# Altium PCB PCB_CARTE_SON.PcbDoc (part 1 of 5)
Units mil, origin at the board's own origin, x right, y up, seen from the top; angles counter-clockwise.
Board outline 6000 x 4000 mil, 2 copper layers (Top Layer, Bottom Layer); 1714 components, 935 nets, 4585 pads, 9 vias.
Unrouted connection lines stored in the file: 2325.
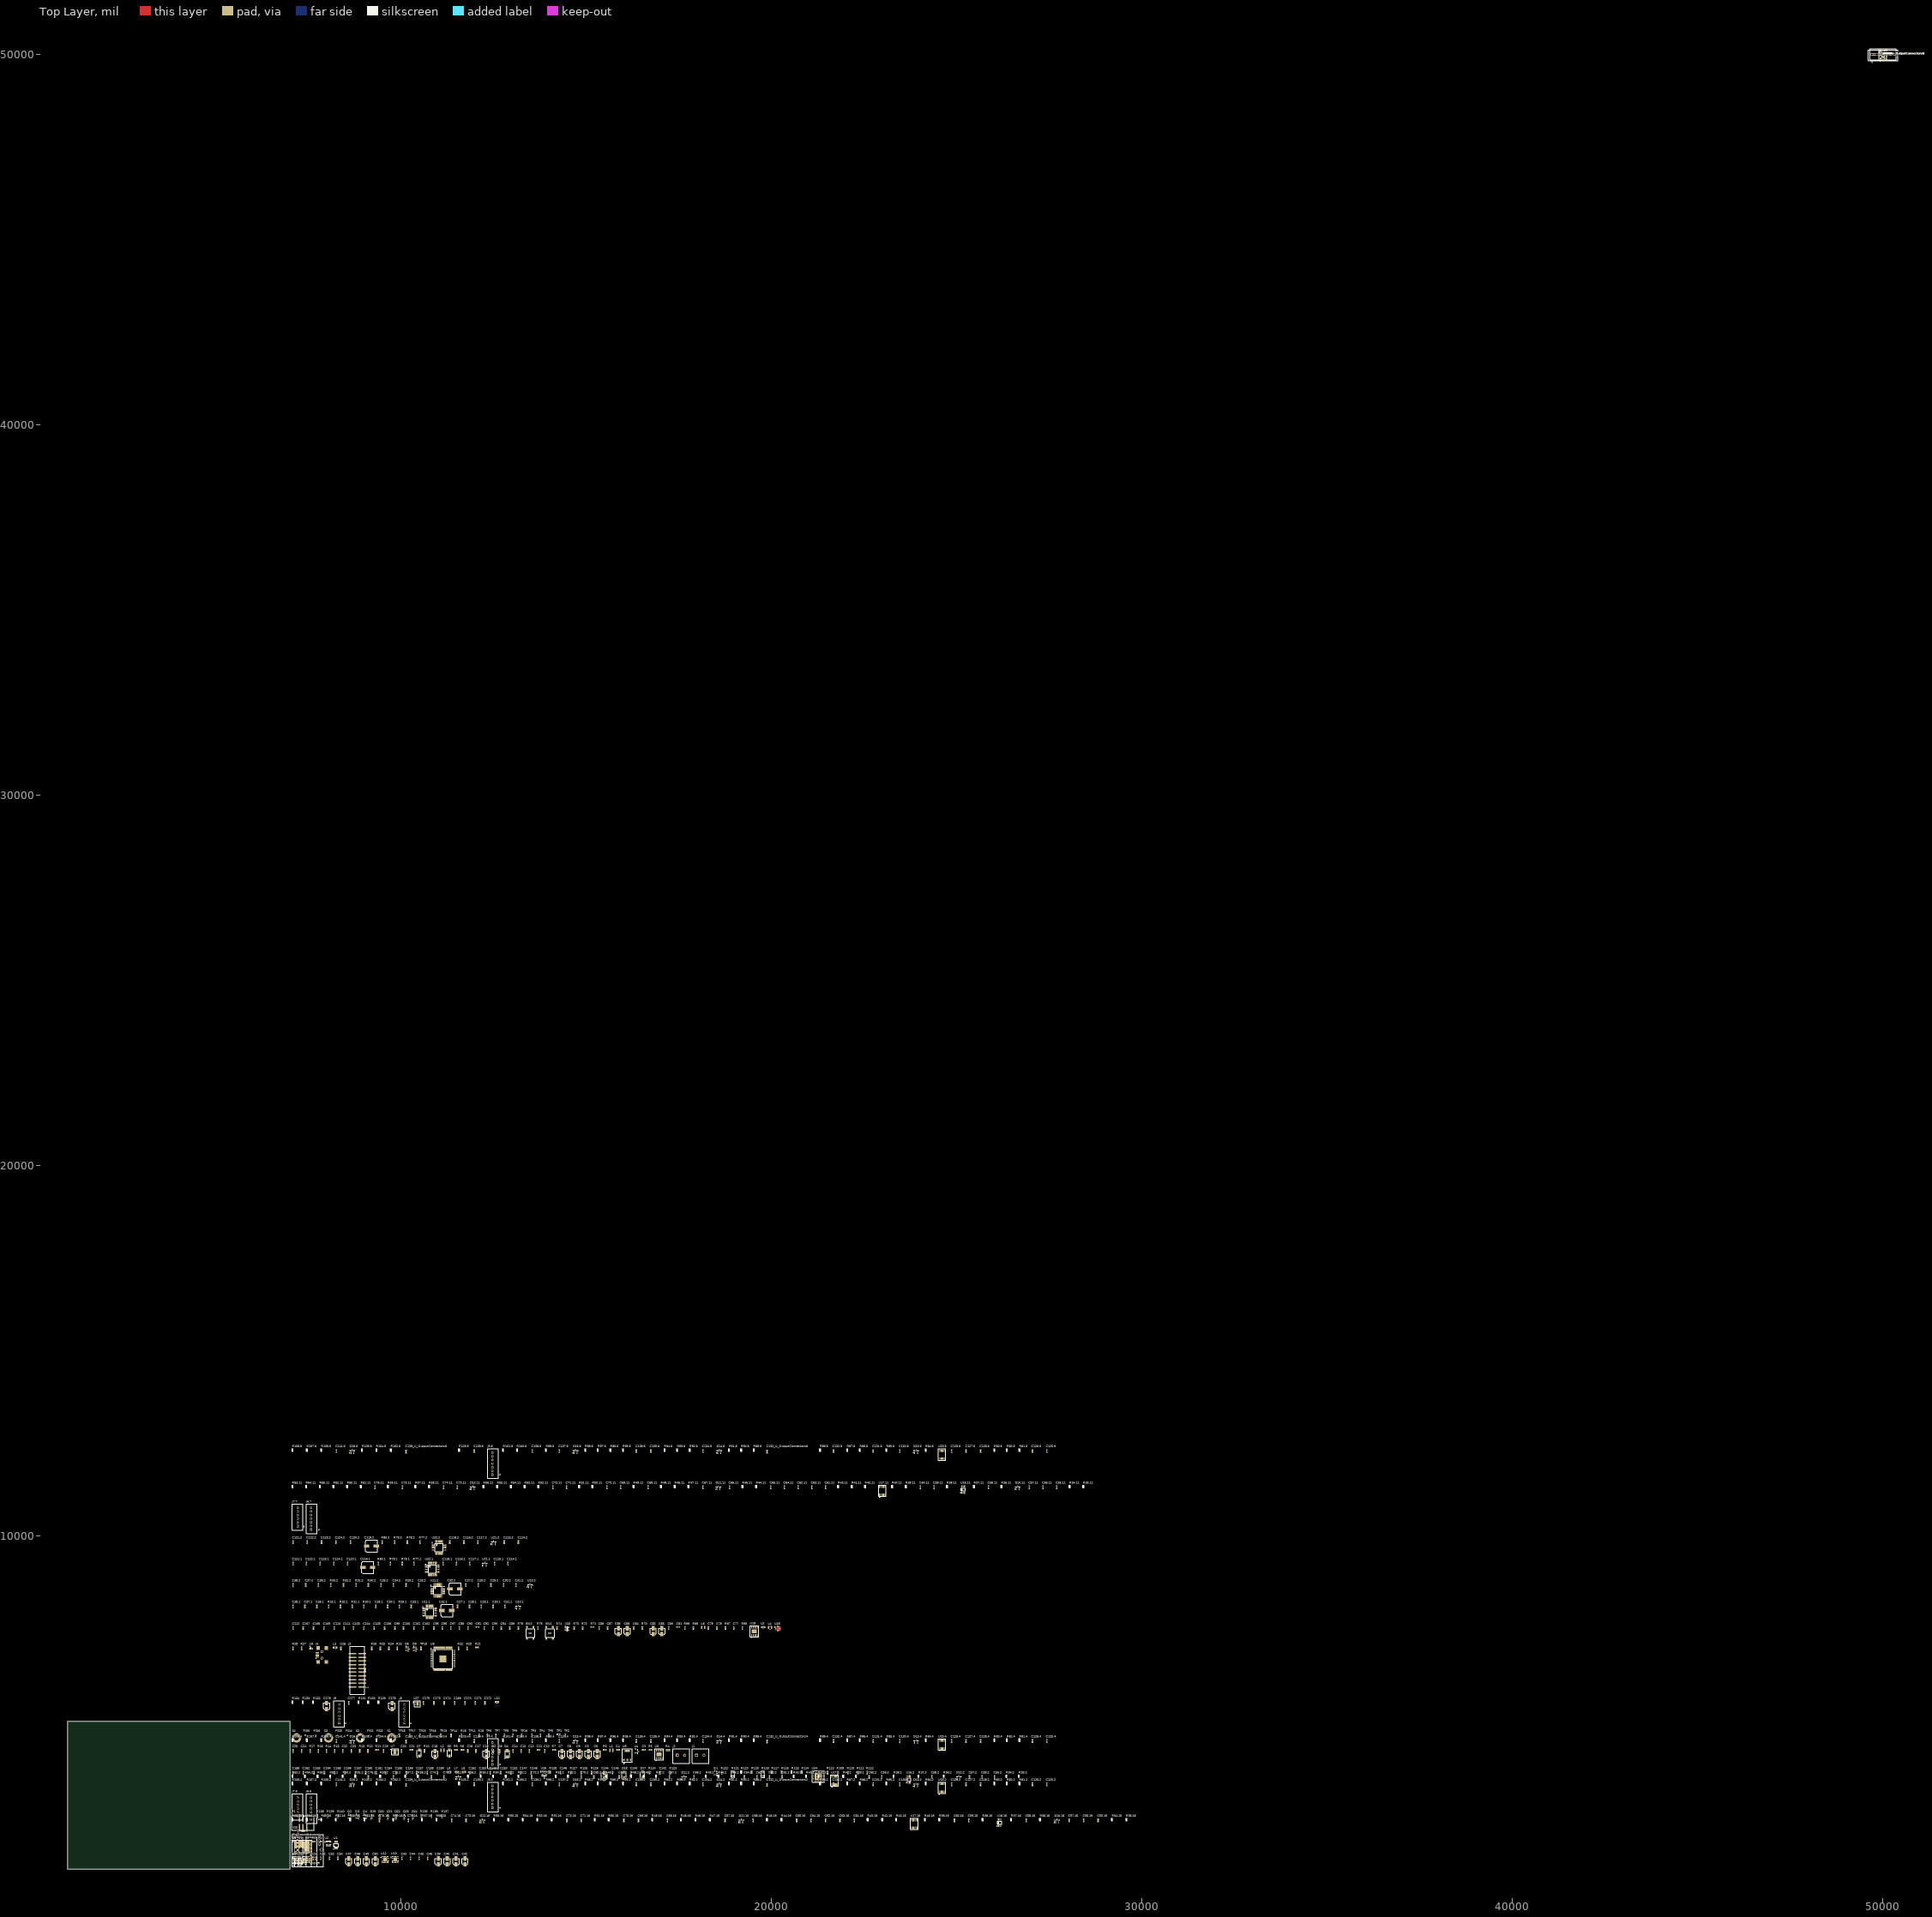
[diagram p0: Top Layer view]
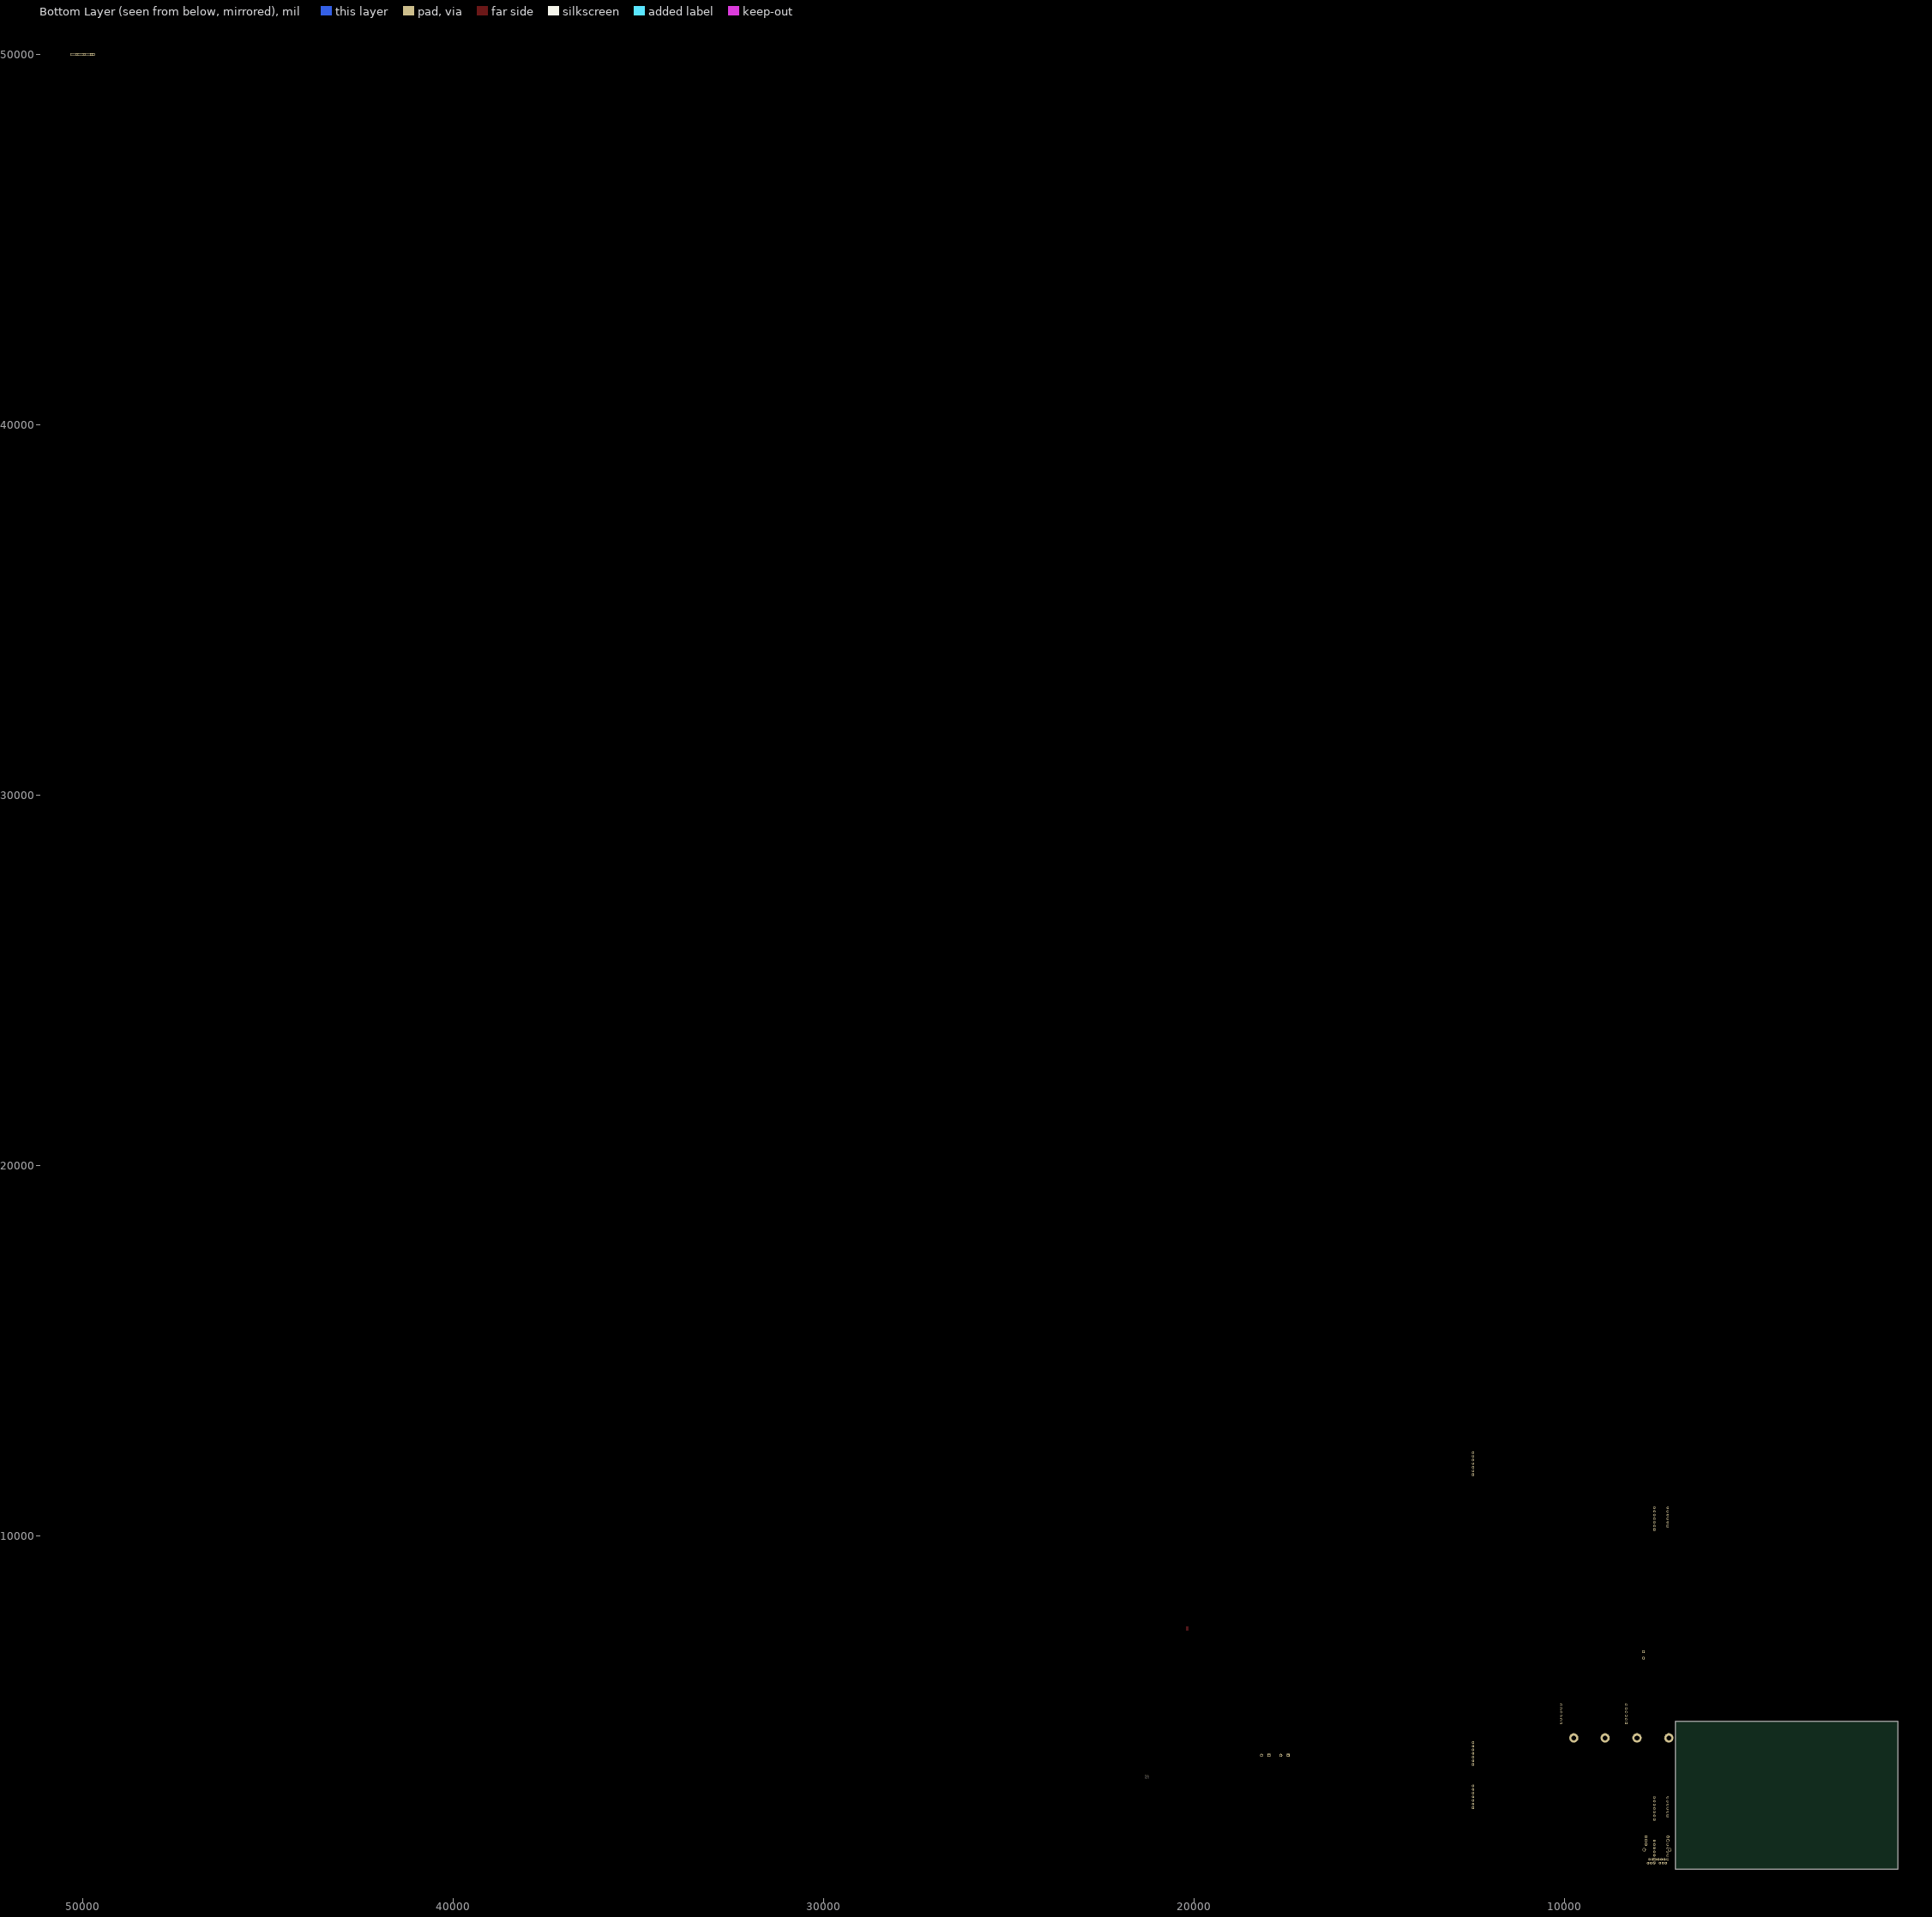
[diagram p1: Bottom Layer view, seen from below]

## Layer stack, top to bottom
Top Solder: solder mask 0.4, Solder Resist, Dk 3.5
Top Layer: signal copper 1.4
Dielectric 1: dielectric 12.6, FR-4, Dk 4.8
Bottom Layer: signal copper 1.4
Bottom Solder: solder mask 0.4, Solder Resist, Dk 3.5

## Board outline
1000,1000 7000,1000 7000,5000 1000,5000

## Design rules (kind name [scope] priority, off if disabled: settings)
Clearance [All] p1: gap=10
DiffPairsRouting [All] p1: maxlimit=10 minlimit=10 mostfreqgap=10 toplayer_minwidth=15 toplayer_maxwidth=15 toplayer_prefwidth=15 bottomlayer_minwidth=15 bottomlayer_maxwidth=15 bottomlayer_prefwidth=15 maxuncoupledlength=500
PolygonConnect [All] p1: connectstyle=Relief reliefconductorwidth=10 reliefentries=4 polygonreliefangle="90 Angle" airgapwidth=10
RoomDefinition XMOS_power [InComponentClass('XMOS_power')] p1: confinementstyle=ConfineIn formatcopy=TRUE lockcomponents=FALSE outline 0,0 2000,0 2000,1000 0,1000
RoomDefinition XMOS1 [InComponentClass('XMOS1')] p2: confinementstyle=ConfineIn formatcopy=TRUE lockcomponents=FALSE outline 0,0 2000,0 2000,1000 0,1000
RoomDefinition U_StereoHeadphoneDriver [InComponentClass('U_StereoHeadphoneDriver')] p3: confinementstyle=ConfineIn formatcopy=TRUE lockcomponents=FALSE outline 0,0 2000,0 2000,1000 0,1000
RoomDefinition U_OutputConnectors8 [InComponentClass('U_OutputConnectors8')] p4: confinementstyle=ConfineIn formatcopy=TRUE lockcomponents=FALSE outline 49585,49770 51395,49770 51395,50165 49585,50165
RoomDefinition U_OutputConnectors7 [InComponentClass('U_OutputConnectors7')] p5: confinementstyle=ConfineIn formatcopy=TRUE lockcomponents=FALSE outline 49585,49770 51395,49770 51395,50165 49585,50165
RoomDefinition U_OutputConnectors6 [InComponentClass('U_OutputConnectors6')] p6: confinementstyle=ConfineIn formatcopy=TRUE lockcomponents=FALSE outline 0,0 2000,0 2000,1000 0,1000
RoomDefinition U_OutputConnectors5 [InComponentClass('U_OutputConnectors5')] p7: confinementstyle=ConfineIn formatcopy=TRUE lockcomponents=FALSE outline 49585,49770 51395,49770 51395,50165 49585,50165
RoomDefinition U_OutputConnectors4 [InComponentClass('U_OutputConnectors4')] p8: confinementstyle=ConfineIn formatcopy=TRUE lockcomponents=FALSE outline 0,0 2000,0 2000,1000 0,1000
RoomDefinition U_OutputConnectors3 [InComponentClass('U_OutputConnectors3')] p9: confinementstyle=ConfineIn formatcopy=TRUE lockcomponents=FALSE outline 49585,49770 51395,49770 51395,50165 49585,50165
RoomDefinition U_OutputConnectors2 [InComponentClass('U_OutputConnectors2')] p10: confinementstyle=ConfineIn formatcopy=TRUE lockcomponents=FALSE outline 7045,2550 27745,2550 27745,3470 7045,3470
RoomDefinition U_OutputConnectors1 [InComponentClass('U_OutputConnectors1')] p11: confinementstyle=ConfineIn formatcopy=TRUE lockcomponents=FALSE outline 49585,49770 51375,49770 51375,50165 49585,50165
RoomDefinition U_InputsConnectors8 [InComponentClass('U_InputsConnectors8')] p12: confinementstyle=ConfineIn formatcopy=TRUE lockcomponents=FALSE outline 49585,49770 50410,49770 50410,50165 49585,50165
RoomDefinition U_InputsConnectors7 [InComponentClass('U_InputsConnectors7')] p13: confinementstyle=ConfineIn formatcopy=TRUE lockcomponents=FALSE outline 0,0 2000,0 2000,1000 0,1000
RoomDefinition U_InputsConnectors6 [InComponentClass('U_InputsConnectors6')] p14: confinementstyle=ConfineIn formatcopy=TRUE lockcomponents=FALSE outline 0,0 2000,0 2000,1000 0,1000
RoomDefinition U_InputsConnectors5 [InComponentClass('U_InputsConnectors5')] p15: confinementstyle=ConfineIn formatcopy=TRUE lockcomponents=FALSE outline 49585,49770 50410,49770 50410,50165 49585,50165
RoomDefinition U_InputsConnectors4 [InComponentClass('U_InputsConnectors4')] p16: confinementstyle=ConfineIn formatcopy=TRUE lockcomponents=FALSE outline 7045,1065 7800,1065 7800,1985 7045,1985
RoomDefinition U_InputsConnectors3 [InComponentClass('U_InputsConnectors3')] p17: confinementstyle=ConfineIn formatcopy=TRUE lockcomponents=FALSE outline 49585,49770 50410,49770 50410,50165 49585,50165
RoomDefinition U_InputsConnectors2 [InComponentClass('U_InputsConnectors2')] p18: confinementstyle=ConfineIn formatcopy=TRUE lockcomponents=FALSE outline 49585,49770 50410,49770 50410,50165 49585,50165
RoomDefinition U_InputsConnectors1 [InComponentClass('U_InputsConnectors1')] p19: confinementstyle=ConfineIn formatcopy=TRUE lockcomponents=FALSE outline 49585,49770 50410,49770 50410,50165 49585,50165
RoomDefinition U_InputAmplifier16 [InComponentClass('U_InputAmplifier16')] p20: confinementstyle=ConfineIn formatcopy=TRUE lockcomponents=FALSE outline 7045,2035 29910,2035 29910,2495 7045,2495
RoomDefinition U_InputAmplifier15 [InComponentClass('U_InputAmplifier15')] p21: confinementstyle=ConfineIn formatcopy=TRUE lockcomponents=FALSE outline 49865,49805 50335,49805 50335,50165 49865,50165
RoomDefinition U_InputAmplifier14 [InComponentClass('U_InputAmplifier14')] p22: confinementstyle=ConfineIn formatcopy=TRUE lockcomponents=FALSE outline 49865,49805 50335,49805 50335,50165 49865,50165
RoomDefinition U_InputAmplifier13 [InComponentClass('U_InputAmplifier13')] p23: confinementstyle=ConfineIn formatcopy=TRUE lockcomponents=FALSE outline 49865,49805 50335,49805 50335,50165 49865,50165
RoomDefinition U_InputAmplifier12 [InComponentClass('U_InputAmplifier12')] p24: confinementstyle=ConfineIn formatcopy=TRUE lockcomponents=FALSE outline 49865,49805 50335,49805 50335,50165 49865,50165
RoomDefinition U_InputAmplifier11 [InComponentClass('U_InputAmplifier11')] p25: confinementstyle=ConfineIn formatcopy=TRUE lockcomponents=FALSE outline 0,0 2000,0 2000,1000 0,1000
RoomDefinition U_InputAmplifier10 [InComponentClass('U_InputAmplifier10')] p26: confinementstyle=ConfineIn formatcopy=TRUE lockcomponents=FALSE outline 49865,49805 50335,49805 50335,50165 49865,50165
RoomDefinition U_InputAmplifier9 [InComponentClass('U_InputAmplifier9')] p27: confinementstyle=ConfineIn formatcopy=TRUE lockcomponents=FALSE outline 49865,49805 50285,49805 50285,50165 49865,50165
RoomDefinition U_InputAmplifier8 [InComponentClass('U_InputAmplifier8')] p28: confinementstyle=ConfineIn formatcopy=TRUE lockcomponents=FALSE outline 49865,49805 50285,49805 50285,50165 49865,50165
RoomDefinition U_InputAmplifier7 [InComponentClass('U_InputAmplifier7')] p29: confinementstyle=ConfineIn formatcopy=TRUE lockcomponents=FALSE outline 49865,49805 50285,49805 50285,50165 49865,50165
RoomDefinition U_InputAmplifier6 [InComponentClass('U_InputAmplifier6')] p30: confinementstyle=ConfineIn formatcopy=TRUE lockcomponents=FALSE outline 49865,49805 50285,49805 50285,50165 49865,50165
RoomDefinition U_InputAmplifier5 [InComponentClass('U_InputAmplifier5')] p31: confinementstyle=ConfineIn formatcopy=TRUE lockcomponents=FALSE outline 49865,49805 50285,49805 50285,50165 49865,50165
RoomDefinition U_InputAmplifier4 [InComponentClass('U_InputAmplifier4')] p32: confinementstyle=ConfineIn formatcopy=TRUE lockcomponents=FALSE outline 49865,49805 50285,49805 50285,50165 49865,50165
RoomDefinition U_InputAmplifier3 [InComponentClass('U_InputAmplifier3')] p33: confinementstyle=ConfineIn formatcopy=TRUE lockcomponents=FALSE outline 49865,49805 50285,49805 50285,50165 49865,50165
RoomDefinition U_InputAmplifier2 [InComponentClass('U_InputAmplifier2')] p34: confinementstyle=ConfineIn formatcopy=TRUE lockcomponents=FALSE outline 0,0 2000,0 2000,1000 0,1000
RoomDefinition U_InputAmplifier1 [InComponentClass('U_InputAmplifier1')] p35: confinementstyle=ConfineIn formatcopy=TRUE lockcomponents=FALSE outline 49865,49805 50265,49805 50265,50165 49865,50165
RoomDefinition TopLevel [InComponentClass('TopLevel')] p36: confinementstyle=ConfineIn formatcopy=TRUE lockcomponents=FALSE outline 0,0 2000,0 2000,1000 0,1000
RoomDefinition Power1 [InComponentClass('Power1')] p37: confinementstyle=ConfineIn formatcopy=TRUE lockcomponents=FALSE outline 0,0 2000,0 2000,1000 0,1000
RoomDefinition PHY_ETHERNET [InComponentClass('PHY_ETHERNET')] p38: confinementstyle=ConfineIn formatcopy=TRUE lockcomponents=FALSE outline 0,0 2000,0 2000,1000 0,1000
RoomDefinition LEDs_I2C_PORT [InComponentClass('LEDs_I2C_PORT')] p39: confinementstyle=ConfineIn formatcopy=TRUE lockcomponents=FALSE outline 0,0 2000,0 2000,1000 0,1000
RoomDefinition DAC2 [InComponentClass('DAC2')] p40: confinementstyle=ConfineIn formatcopy=TRUE lockcomponents=FALSE outline 0,0 2000,0 2000,1000 0,1000
RoomDefinition DAC1 [InComponentClass('DAC1')] p41: confinementstyle=ConfineIn formatcopy=TRUE lockcomponents=FALSE outline 0,0 2000,0 2000,1000 0,1000
RoomDefinition CLOCK [InComponentClass('CLOCK')] p42: confinementstyle=ConfineIn formatcopy=TRUE lockcomponents=FALSE outline 0,0 2000,0 2000,1000 0,1000
RoomDefinition ADC2 [InComponentClass('ADC2')] p43: confinementstyle=ConfineIn formatcopy=TRUE lockcomponents=FALSE outline 0,0 2000,0 2000,1000 0,1000
RoomDefinition ADC1 [InComponentClass('ADC1')] p44: confinementstyle=ConfineIn formatcopy=TRUE lockcomponents=FALSE outline 0,0 2000,0 2000,1000 0,1000
RoomDefinition "AUDIO INPUTS" [InComponentClass('AUDIO INPUTS')] p45: confinementstyle=ConfineIn formatcopy=TRUE lockcomponents=FALSE outline 0,0 2000,0 2000,1000 0,1000
RoutingVias [All] p1: holewidth=28 width=50 viastyle="Through Hole" minholewidth=28 minwidth=50 maxholewidth=28 maxwidth=50
SolderMaskExpansion [All] p1: expansion=4
Width [All] p1: maxlimit=10 minlimit=10 preferedwidth=10
29 further rules are at their usual default settings.

## Classes and differential pairs
component class XMOS_power: C77 C78 C79 C80 C81 C82 C83 C84 C85 C86 C87 C88 C89 C90 C91 C92 C93 C94 C95 C96 C97 C98 C99 C100 C101 C102 C103 C104 C105 C106 C107 C108 C109 C110 C111 C112 L4 L5 L6 R66 R67 R68 R69 R70 R71 R72 R73 R74 R75 R76 SW1 SW2 U18 U19 U20
component class XMOS1: C26 D8 D9 J3 J4 L3 R20 R21 R22 R23 R24 R25 R26 R27 R28 TP19 U8 U9
component class U_StereoHeadphoneDriver: C169 C170 C171 C172 C173 C174 C175 C176 C177 C178 J8 J9 L10 R129 R130 R131 R132 R133 R134 U27
component class U_OutputConnectors8: C125.8 C126.8 C127.8 C128.8 C129.8 C130.8 C131.8 C132.8 C132_U_OutputConnectors8 C134.8 C135.8 C136.8 C137.8 C138.8 C139.8 C139_U_OutputConnectors8 C141.8 D13.8 D14.8 D15.8 D16.8 J5.8 R81.8 R82.8 R83.8 R84.8 R85.8 R86.8 R87.8 R88.8 R89.8 R90.8 R91.8 R92.8 R93.8 R94.8 R95.8 R96.8 R97.8 R98.8 R99.8 R100.8 R101.8 R102.8 R103.8 R104.8 R105.8 R106.8 R107.8 R108.8 U23.8
component class U_OutputConnectors7: C125.7 C126.7 C127.7 C128.7 C129.7 C130.7 C131.7 C132.7 C132_U_OutputConnectors7 C134.7 C135.7 C136.7 C137.7 C138.7 C139.7 C139_U_OutputConnectors7 C141.7 D13.7 D14.7 D15.7 D16.7 J5.7 R81.7 R82.7 R83.7 R84.7 R85.7 R86.7 R87.7 R88.7 R89.7 R90.7 R91.7 R92.7 R93.7 R94.7 R95.7 R96.7 R97.7 R98.7 R99.7 R100.7 R101.7 R102.7 R103.7 R104.7 R105.7 R106.7 R107.7 R108.7 U23.7
component class U_OutputConnectors6: C125.6 C126.6 C127.6 C128.6 C129.6 C130.6 C131.6 C132.6 C132_U_OutputConnectors6 C134.6 C135.6 C136.6 C137.6 C138.6 C139.6 C139_U_OutputConnectors6 C141.6 D13.6 D14.6 D15.6 D16.6 J5.6 R81.6 R82.6 R83.6 R84.6 R85.6 R86.6 R87.6 R88.6 R89.6 R90.6 R91.6 R92.6 R93.6 R94.6 R95.6 R96.6 R97.6 R98.6 R99.6 R100.6 R101.6 R102.6 R103.6 R104.6 R105.6 R106.6 R107.6 R108.6 U23.6
component class U_OutputConnectors5: C125.5 C126.5 C127.5 C128.5 C129.5 C130.5 C131.5 C132.5 C132_U_OutputConnectors5 C134.5 C135.5 C136.5 C137.5 C138.5 C139.5 C139_U_OutputConnectors5 C141.5 D13.5 D14.5 D15.5 D16.5 J5.5 R81.5 R82.5 R83.5 R84.5 R85.5 R86.5 R87.5 R88.5 R89.5 R90.5 R91.5 R92.5 R93.5 R94.5 R95.5 R96.5 R97.5 R98.5 R99.5 R100.5 R101.5 R102.5 R103.5 R104.5 R105.5 R106.5 R107.5 R108.5 U23.5
component class U_OutputConnectors4: C125.4 C126.4 C127.4 C128.4 C129.4 C130.4 C131.4 C132.4 C132_U_OutputConnectors4 C134.4 C135.4 C136.4 C137.4 C138.4 C139.4 C139_U_OutputConnectors4 C141.4 D13.4 D14.4 D15.4 D16.4 J5.4 R81.4 R82.4 R83.4 R84.4 R85.4 R86.4 R87.4 R88.4 R89.4 R90.4 R91.4 R92.4 R93.4 R94.4 R95.4 R96.4 R97.4 R98.4 R99.4 R100.4 R101.4 R102.4 R103.4 R104.4 R105.4 R106.4 R107.4 R108.4 U23.4
component class U_OutputConnectors3: C125.3 C126.3 C127.3 C128.3 C129.3 C130.3 C131.3 C132.3 C132_U_OutputConnectors3 C134.3 C135.3 C136.3 C137.3 C138.3 C139.3 C139_U_OutputConnectors3 C141.3 D13.3 D14.3 D15.3 D16.3 J5.3 R81.3 R82.3 R83.3 R84.3 R85.3 R86.3 R87.3 R88.3 R89.3 R90.3 R91.3 R92.3 R93.3 R94.3 R95.3 R96.3 R97.3 R98.3 R99.3 R100.3 R101.3 R102.3 R103.3 R104.3 R105.3 R106.3 R107.3 R108.3 U23.3
component class U_OutputConnectors2: C125.2 C126.2 C127.2 C128.2 C129.2 C130.2 C131.2 C132.2 C132_U_OutputConnectors2 C134.2 C135.2 C136.2 C137.2 C138.2 C139.2 C139_U_OutputConnectors2 C141.2 D13.2 D14.2 D15.2 D16.2 J5.2 R81.2 R82.2 R83.2 R84.2 R85.2 R86.2 R87.2 R88.2 R89.2 R90.2 R91.2 R92.2 R93.2 R94.2 R95.2 R96.2 R97.2 R98.2 R99.2 R100.2 R101.2 R102.2 R103.2 R104.2 R105.2 R106.2 R107.2 R108.2 U23.2
component class U_OutputConnectors1: C125.1 C126.1 C127.1 C128.1 C129.1 C130.1 C131.1 C132.1 C132_U_OutputConnectors1 C134.1 C135.1 C136.1 C137.1 C138.1 C139.1 C139_U_OutputConnectors1 C141.1 D13.1 D14.1 D15.1 D16.1 J5.1 R81.1 R82.1 R83.1 R84.1 R85.1 R86.1 R87.1 R88.1 R89.1 R90.1 R91.1 R92.1 R93.1 R94.1 R95.1 R96.1 R97.1 R98.1 R99.1 R100.1 R101.1 R102.1 R103.1 R104.1 R105.1 R106.1 R107.1 R108.1 U23.1
component class U_InputsConnectors8: J6.8 J7.8
component class U_InputsConnectors7: J6.7 J7.7
component class U_InputsConnectors6: J6.6 J7.6
component class U_InputsConnectors5: J6.5 J7.5
component class U_InputsConnectors4: J6.4 J7.4
component class U_InputsConnectors3: J6.3 J7.3
component class U_InputsConnectors2: J6.2 J7.2
component class U_InputsConnectors1: J6.1 J7.1
component class U_InputAmplifier16: C55.16 C56.16 C57.16 C58.16 C59.16 C60.16 C61.16 C62.16 C63.16 C64.16 C65.16 C66.16 C67.16 C68.16 C69.16 C70.16 C71.16 C72.16 C73.16 C74.16 C75.16 C76.16 D10.16 D11.16 D12.16 R34.16 R35.16 R36.16 R37.16 R38.16 R39.16 R40.16 R41.16 R42.16 R43.16 R44.16 R45.16 R46.16 R47.16 R48.16 R49.16 R50.16 R51.16 R52.16 R53.16 R54.16 R55.16 R56.16 R57.16 R58.16 R59.16 R60.16 R61.16 R62.16 R63.16 R64.16 R65.16 U16.16 U17.16
component class U_InputAmplifier15: C55.15 C56.15 C57.15 C58.15 C59.15 C60.15 C61.15 C62.15 C63.15 C64.15 C65.15 C66.15 C67.15 C68.15 C69.15 C70.15 C71.15 C72.15 C73.15 C74.15 C75.15 C76.15 D10.15 D11.15 D12.15 R34.15 R35.15 R36.15 R37.15 R38.15 R39.15 R40.15 R41.15 R42.15 R43.15 R44.15 R45.15 R46.15 R47.15 R48.15 R49.15 R50.15 R51.15 R52.15 R53.15 R54.15 R55.15 R56.15 R57.15 R58.15 R59.15 R60.15 R61.15 R62.15 R63.15 R64.15 R65.15 U16.15 U17.15
component class U_InputAmplifier14: C55.14 C56.14 C57.14 C58.14 C59.14 C60.14 C61.14 C62.14 C63.14 C64.14 C65.14 C66.14 C67.14 C68.14 C69.14 C70.14 C71.14 C72.14 C73.14 C74.14 C75.14 C76.14 D10.14 D11.14 D12.14 R34.14 R35.14 R36.14 R37.14 R38.14 R39.14 R40.14 R41.14 R42.14 R43.14 R44.14 R45.14 R46.14 R47.14 R48.14 R49.14 R50.14 R51.14 R52.14 R53.14 R54.14 R55.14 R56.14 R57.14 R58.14 R59.14 R60.14 R61.14 R62.14 R63.14 R64.14 R65.14 U16.14 U17.14
component class U_InputAmplifier13: C55.13 C56.13 C57.13 C58.13 C59.13 C60.13 C61.13 C62.13 C63.13 C64.13 C65.13 C66.13 C67.13 C68.13 C69.13 C70.13 C71.13 C72.13 C73.13 C74.13 C75.13 C76.13 D10.13 D11.13 D12.13 R34.13 R35.13 R36.13 R37.13 R38.13 R39.13 R40.13 R41.13 R42.13 R43.13 R44.13 R45.13 R46.13 R47.13 R48.13 R49.13 R50.13 R51.13 R52.13 R53.13 R54.13 R55.13 R56.13 R57.13 R58.13 R59.13 R60.13 R61.13 R62.13 R63.13 R64.13 R65.13 U16.13 U17.13
component class U_InputAmplifier12: C55.12 C56.12 C57.12 C58.12 C59.12 C60.12 C61.12 C62.12 C63.12 C64.12 C65.12 C66.12 C67.12 C68.12 C69.12 C70.12 C71.12 C72.12 C73.12 C74.12 C75.12 C76.12 D10.12 D11.12 D12.12 R34.12 R35.12 R36.12 R37.12 R38.12 R39.12 R40.12 R41.12 R42.12 R43.12 R44.12 R45.12 R46.12 R47.12 R48.12 R49.12 R50.12 R51.12 R52.12 R53.12 R54.12 R55.12 R56.12 R57.12 R58.12 R59.12 R60.12 R61.12 R62.12 R63.12 R64.12 R65.12 U16.12 U17.12
component class U_InputAmplifier11: C55.11 C56.11 C57.11 C58.11 C59.11 C60.11 C61.11 C62.11 C63.11 C64.11 C65.11 C66.11 C67.11 C68.11 C69.11 C70.11 C71.11 C72.11 C73.11 C74.11 C75.11 C76.11 D10.11 D11.11 D12.11 R34.11 R35.11 R36.11 R37.11 R38.11 R39.11 R40.11 R41.11 R42.11 R43.11 R44.11 R45.11 R46.11 R47.11 R48.11 R49.11 R50.11 R51.11 R52.11 R53.11 R54.11 R55.11 R56.11 R57.11 R58.11 R59.11 R60.11 R61.11 R62.11 R63.11 R64.11 R65.11 U16.11 U17.11
component class U_InputAmplifier10: C55.10 C56.10 C57.10 C58.10 C59.10 C60.10 C61.10 C62.10 C63.10 C64.10 C65.10 C66.10 C67.10 C68.10 C69.10 C70.10 C71.10 C72.10 C73.10 C74.10 C75.10 C76.10 D10.10 D11.10 D12.10 R34.10 R35.10 R36.10 R37.10 R38.10 R39.10 R40.10 R41.10 R42.10 R43.10 R44.10 R45.10 R46.10 R47.10 R48.10 R49.10 R50.10 R51.10 R52.10 R53.10 R54.10 R55.10 R56.10 R57.10 R58.10 R59.10 R60.10 R61.10 R62.10 R63.10 R64.10 R65.10 U16.10 U17.10